# Altium PCB PCB2.PcbDoc (part 2 of 2) (continued)
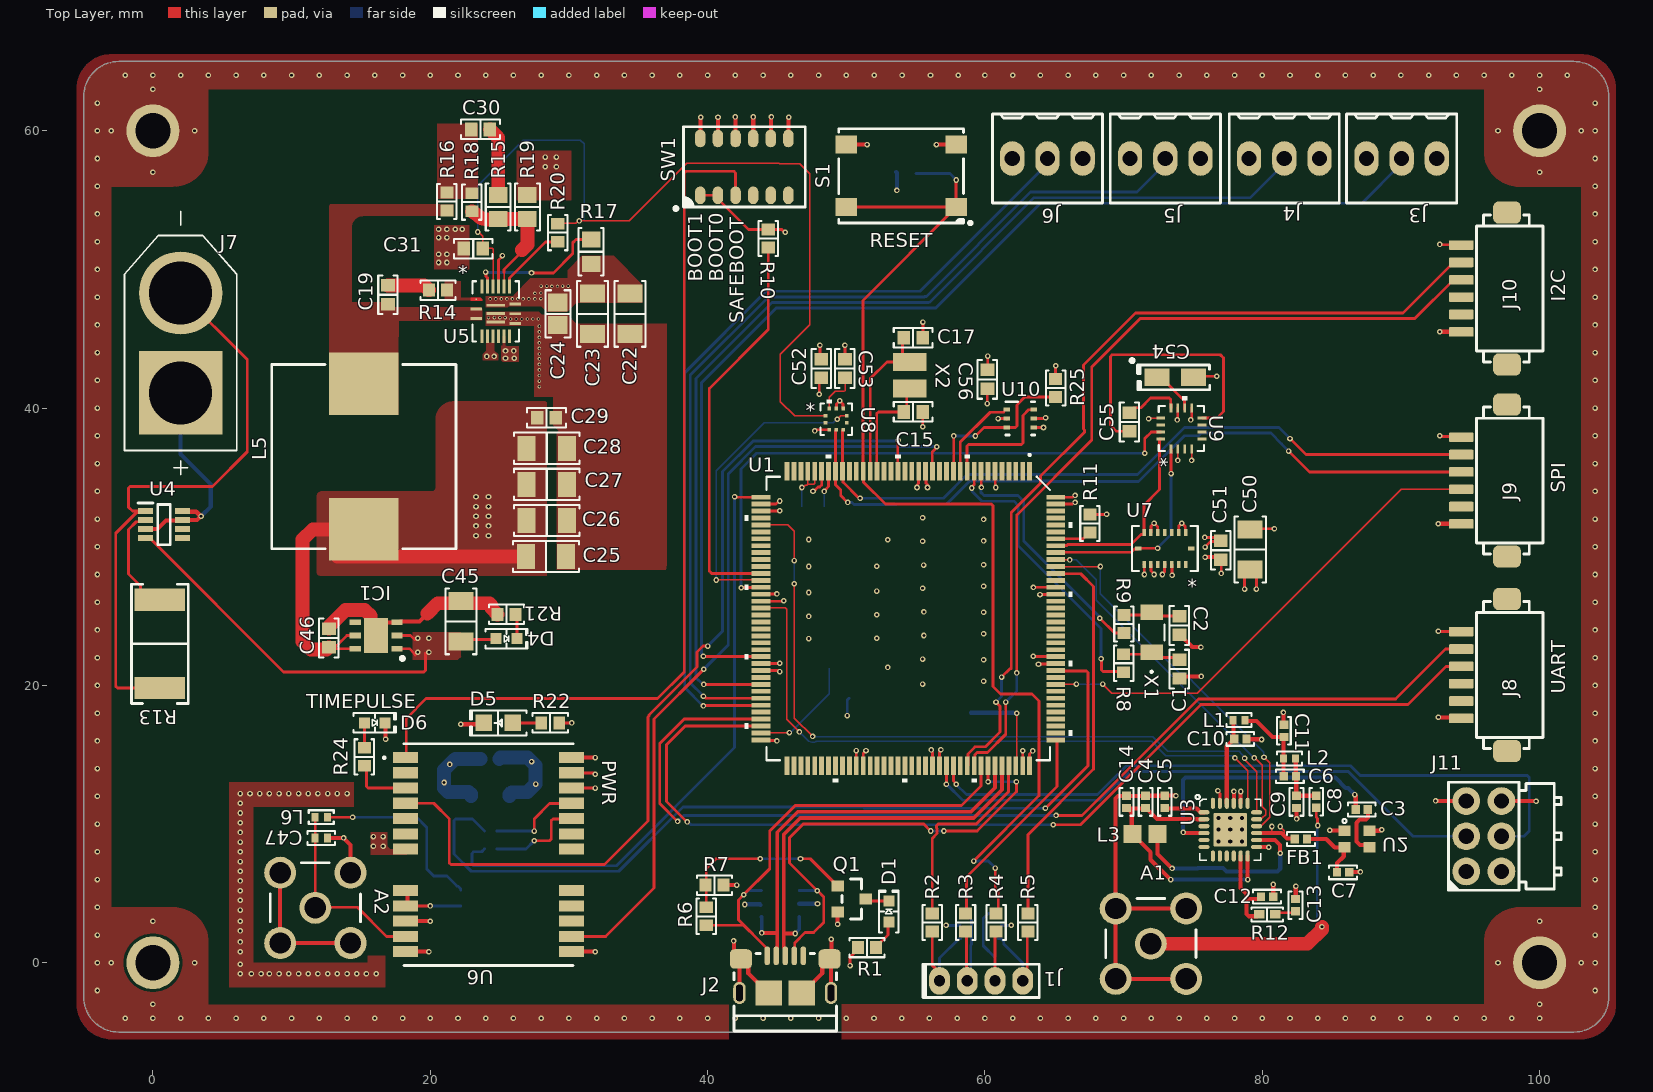
[diagram p0: Top Layer view]
## Nets (pads, with @x,y where several pads share a name; then routed paths per layer and width w, separated by ;. In a path a pad name is that pad's centre, name@x,y a point inside that pad or via, vN(x,y) a via of type N, cw(c..) or ccw(c..) an arc to the next point about the centre after c; other vN are vias at no path point) (continued)
NetC15_2: C15.2 U1.23 X2.1 | length 8.8
  Top Layer w0.203: U1.23@52.225,35.45 52.202,35.473 52.202,39.607 52.32,39.725 C15.2@54.15,39.725 ; X2.1@54.029,41.425 X2.1@54.575,41.425 54.357,41.207 C15.2@54.357,39.468
NetC17_2: C17.2 U1.24 X2.2 | length 12.4
  Top Layer w0.203: U1.24@51.725,35.45 51.725,42.113 52.942,43.33 X2.2@54.575,43.33 54.575,43.371 54.149,43.797 X2.2@54.05,43.896 ; X2.2@54.128,43.777 53.931,43.777 X2.2@54.05,43.896 ; C17.2@54.15,45.075 54.075,45.075 54.05,45.05 X2.2@54.05,43.896
NetC18_1: C18.1 U1.106 | length 7.1
  Top Layer w0.1: U1.106@62.225,14.2 62.3,14.275 v1(62.3,18)
  Bottom Layer w0.3: C18.1@59,18.025 62.025,18.025 62.031,18.019 62.281,18.019 v1(62.3,18)
NetC19_1: C19.1 R14.2 | length 3.1
  Top Layer w1: C19.1@16.95,48.85 19.57,48.85 R14.2@19.913,48.507
NetC20_1: C20.1 U1.71 | length 7.9
  Top Layer w0.1: U1.71@43.85,16.575 43.875,16.6 v1(45.9,16.6)
  Bottom Layer w0.1: v1(45.9,16.6) 45.975,16.6 48.775,19.4 C20.1@48.775,21.25
NetC30_1: C30.1 R16.1 R18.2
NetC53_2: C53.2 U8.10 | length 3.1
  Top Layer w0.1: U8.10@48.775,39.96 48.775,40.784 49.191,41.2 49.866,41.2 49.925,41.259 C53.2@49.925,42.15
NetC54_1: C54.1 U9.10 | length 3.3
  Top Layer w0.2: C54.1@72.405,42.225 72.69,42.225 74.4,40.515 U9.10@74.4,39.9
NetC55_1: C55.1 U9.8 | length 20.4
  Top Layer w0.203: C55.1@70.425,38.325 69.5,38.325 69.05,38.775 69.05,43.731 69.169,43.85 76.975,43.85 77.2,43.625 77.2,39.75 76.725,39.275 75.7,39.275 U9.8@75.675,39.3
NetC55_2: C55.2 U9.12 | length 4.1
  Top Layer w0.203: C55.2@70.425,39.675 70.774,40.023 71.248,40.023 71.95,40.725 73.287,40.725 73.406,40.606 73.406,40.291 73.411,40.287 U9.12@73.411,40.015
NetD1_1: D1.1 R1.1 | length 2.2
  Top Layer w0.203: R1.1@52.15,1.1 52.15,1.15 53,2 D1.1@53,2.9
NetD1_2: D1.2 Q1.3 | length 1.7
  Top Layer w0.203: Q1.3@51.4,4.6 51.55,4.45 D1.2@53.075,4.45
NetD4_2: D4.2 R21.2 | length 1.7
  Top Layer w0.203: R21.2@26.2,25.1 26.25,25.05 D4.2@26.25,23.375
NetD5_1: D5.1 R22.1 | length 2.1
  Top Layer w0.203: D5.1@25.95,17.3 R22.1@28,17.3
NetD6_1: D6.1 R24.1 | length 1.8
  Top Layer w0.203: R24.1@15.25,15.5 D6.1@15.25,17.3
NetL3_2: L3.2 U3.14 | length 14.5
  Top Layer w0.3: L3.2@72.443,9.275 72.443,7.85 73.493,6.8 v1(73.5,6.8) ; U3.14@79.593,8.85 80.918,8.85 81.281,8.487 81.281,7.919 v1(81.3,7.9)
  Bottom Layer w0.3: v1(73.5,6.8) 75.335,6.8 75.36,6.825 77.169,6.825 77.419,6.575 81.092,6.575 81.3,6.783 v1(81.3,7.9)
NetL4_2: L4.2 U1.32 U1.33 | length 4.1
  Top Layer w0.1: v1(46.8,34.275) 46.881,34.275 47.035,34.429 47.154,34.429 47.225,34.5 ; U1.33@47.225,35.45 47.225,34.5 ; U1.32@47.725,35.3 47.725,34.575 47.65,34.5 47.225,34.5
  Bottom Layer w0.1: v1(46.8,34.275) 46.8,32.88 L4.2@46.805,32.875
NetL6_1: L6.1 R23.2 | length 13.6
  Top Layer w0.203: L6.1@12.58,10.5 v1(14.4,10.5)
  Bottom Layer w0.203: v1(14.4,10.5) 19,10.5 19.75,9.75 19.75,6.75 20.25,6.25 21.2,6.25 21.926,5.523 22.002,5.523 22.2,5.325 R23.2@22.2,5.25
NetQ1_1: Q1.1 R6.2 R7.1 | length 13.3
  Top Layer w0.203: R7.1@39.8,5.5 39.9,5.4 R6.2@39.9,4 ; R7.1@39.9,5.6 39.9,6.8 40.6,7.5 v1(43.8,7.5) ; v1(46.7,7.5) 47.4,7.5 49.35,5.55 Q1.1@49.4,5.55
  Bottom Layer w0.203: v1(43.8,7.5) v1(46.7,7.5)
NetU8_2: U8.2
NetU8_4: U8.4
NetU8_5: U8.5
NetU8_6: U8.6
NRESET: U3.3
NRST: D2.4 J1.3 R4.2 | length 9.7
  Top Layer w0.203: J1.3@60.725,-1.3 60.725,2.075 R4.2@60.8,2.15
  Bottom Layer w0.203: J1.3@60.725,-1.3 60.725,0.38 59.875,1.23 59.875,3.179 60.243,3.547 60.485,3.547 60.662,3.725 60.875,3.725 D2.4@60.975,3.625
OUT: C3.2 U2.3 | length 4
  Top Layer w0.3: C3.2@87.65,11.025 87.625,11 87.625,10.475 87.475,10.325 87.025,10.325 86.8,10.1 86.8,8.75 87.057,8.493 87.557,8.493 U2.3@87.725,8.325
PA0: U1.34
PA1: U1.35
PA2: U1.36
PA4: U1.40
PA5: U1.41 U3.18 | length 54
  Top Layer w0.1: U1.41@43.95,31.6 45.775,31.6 46.25,31.125 v1(46.25,29) ; v1(46.25,27.325) 46.25,17.65 v1(47.575,16.325) ; v1(78.725,14.75) 78.725,14.669 78.824,14.57 78.824,14.554 79.593,13.785 U3.18@79.593,10.85
  Bottom Layer w0.1: v1(46.25,27.325) v1(46.25,29) ; v1(47.575,16.325) 47.596,16.304 72.112,16.304 73.173,15.243 78.327,15.243 78.519,15.051 78.519,15.038 78.725,14.831 v1(78.725,14.75)
PA6: U1.42
PA7: U1.43
PA8: J10.3 U1.100 | length 62.5
  Top Layer w0.203: U1.100@59.201,13.626 59.225,13.65 U1.100@59.225,14.2 59.268,14.243 59.268,14.992 59.433,15.156 60.182,15.156 61.5,16.475 v1(61.5,18.8) ; v1(62.3,20.9) 62.3,32.3 67.7,37.7 67.7,42.951 71.2,46.451 91.001,46.451 93.8,49.25 J10.3@94.35,49.25
  Bottom Layer w0.203: v1(61.5,18.8) 62.3,19.6 v1(62.3,20.9)
PA9: D3.6 J2.1 R6.1 U1.101 | length 33.3
  Top Layer w0.203: R6.1@39.9,2.7 42.6,2.7 43,2.3 ; J2.1@44.325,0.675 44.325,1 42.219,3.106 42.219,4.519 v1(42.6,4.9) 44.479,6.779 44.479,9.49 46.321,11.332 58.309,11.332 59.725,12.748 59.725,14.076 U1.101@59.748,14.1
  Bottom Layer w0.203: v1(42.6,4.9) 42.653,4.9 42.953,5.2 D3.6@43.888,5.2
PA10: D3.1 J2.4 U1.102 | length 34
  Top Layer w0.203: J2.4@46.2,0.475 46.288,0.563 46.288,1.438 47.025,2.175 47.65,2.175 48.381,2.905 48.381,4.745 47.925,5.2 v1(47.9,5.2) 45.913,7.187 45.913,9.016 46.9,10.004 55.585,10.004 v1(56.086,9.503) ; v1(57.042,9.503) 59.44,9.503 62.275,12.337 v1(62.275,13.05) ; v1(60.225,13.05) U1.102@60.225,14.025
  Bottom Layer w0.203: D3.1@46.612,5.2 v1(47.9,5.2) ; v1(56.086,9.503) v1(57.042,9.503) ; v1(60.225,13.05) v1(62.275,13.05)
PB0: U1.46
PB1: U1.47
PB4: U1.134 U3.16 | length 27.8
  Top Layer w0.1: U1.134@65.1,28.575 v1(68.325,28.575) ; U3.16@79.593,9.85 79.897,9.85 79.997,9.95 80.009,9.95 80.543,10.484 80.543,14.406 v1@80.125,14.824
  Bottom Layer w0.1: v1(68.325,28.575) 68.325,26.625 74.023,20.927 74.369,20.927 74.946,20.35 74.946,20.308 77.512,17.741 77.555,17.741 80.121,15.175 80.121,14.829 v1(80.125,14.825)
PB5: U1.135 U3.17 | length 26.4
  Top Layer w0.1: U1.135@65.1,29.075 65.125,29.05 v1(66.125,29.05) ; v1(79.427,14.769) 79.474,14.769 80.009,14.235 80.009,11.25 80.243,11.016 80.243,10.684 80.009,10.45 79.997,10.45 79.897,10.35 U3.17@79.593,10.35
  Bottom Layer w0.1: v1(66.125,29.05) 66.6,29.05 68.025,27.625 68.025,26.129 79.384,14.769 v1(79.427,14.769)
PB6: U1.136 U4.5 U7.8 U9.1 | length 14.9
  Top Layer w0.203: U1.136@65.1,29.575 65.123,29.598 70.534,29.598 70.785,29.849 U7.8@71.038,29.849 ; U7.8@71.064,29.875 71.076,29.887 72.437,29.887 v1(72.45,29.9) ; U9.1@73.411,36.975 73.411,36.102 73.425,36.088 v1(73.425,35.275)
  Bottom Layer w0.203: v1(72.45,29.9) 73.425,30.875 v1(73.425,35.275)
PB7: U1.137 U4.6 U7.9 U9.16 | length 14.1
  Top Layer w0.2: U1.137@65.1,30.075 65.125,30.1 65.899,30.1 65.959,30.159 70.525,30.159
  Top Layer w0.203: 70.525,30.159 71.257,30.891 U7.9@71.449,30.891 ; U7.9@71.475,30.95 U7.9@71.475,31.031 71.475,32.997 72.6,34.122 72.6,37.775 U9.16@72.675,37.775
PB8: U1.139
PB9: U1.140
PB10: J8.2 U1.69 | length 75.3
  Top Layer w0.203: v1(37.835,10.19) 36.548,11.477 36.548,15.802 38.321,17.575 43.277,17.575 U1.69@43.3,17.551 ; v1(65.135,10.627) 67.008,10.627 75.403,19.023 89.622,19.023 93.224,22.625 J8.2@94.35,22.625
  Bottom Layer w0.203: v1(37.835,10.19) 38.26,10.616 39.246,10.616 39.258,10.627 v1(65.135,10.627)
PB11: J8.3 U1.70 | length 73.7
  Top Layer w0.203: v1(38.534,10.161) 38.514,10.161 37.033,11.642 37.033,15.717 38.39,17.075 43.276,17.075 U1.70@43.3,17.051 ; v1(64.93,9.958) 66.908,9.958 75.57,18.62 90.505,18.62 93.26,21.375 J8.3@94.35,21.375
  Bottom Layer w0.203: v1(38.534,10.161) 38.587,10.161 38.79,9.958 v1(64.93,9.958)
PB13: U1.74
PB14: U1.75
PB15: U1.76
PC0: U1.26
PC1: U1.27
PC2: J9.2 U1.28 | length 51.8
  Top Layer w0.203: 49.775,38.44 49.749,38.414 49.749,38.402 49.725,38.377 U1.28@49.725,35.45 49.768,35.406 49.768,34.658 50.927,33.5 v4(51,33.5) ; v1(82,37.8) 83.15,36.65 J9.2@94.35,36.65
  Bottom Layer w0.203: v4(51,33.5) 57,33.5 58.7,35.2 71,35.2 74.4,38.6 81.2,38.6 v1(82,37.8)
  other v5: 51,33.5
PC3: J9.3 U1.29 | length 54.5
  Top Layer w0.2: U1.29@49.225,35.6 49.225,36.469
  Top Layer w0.203: U1.29@49.2,35.6 49.23,35.57 49.23,34.47 49.6,34.1 49.6,33.7 v5(50.1,33.2) ; U1.29@49.23,35.6 49.23,38.382 49.275,38.427 49.275,38.44 ; v4(81.9,36.9) 83.4,35.4 J9.3@94.35,35.4 94.4,35.4 J9.3@94.6,35.2
  Bottom Layer w0.203: v5(50.1,33.2) 50.4,33.2 50.556,33.044 53.579,33.044 53.632,33.097 57.263,33.097 58.905,34.739 64.785,34.739 64.824,34.7 71.07,34.7 74.37,38 75.403,38 75.6,38.197 80.618,38.197 81.4,37.415 81.4,37.4 v4(81.9,36.9)
  other v4: 50.1,33.2
  other v5: 81.9,36.9
PC4: U1.44
PC5: U1.45
PC8: U1.98
PC9: J10.2 U1.99 | length 63.5
  Top Layer w0.203: U1.99@58.725,14.2 58.768,14.243 58.768,15.062 59.279,15.572 60.028,15.572 61.097,16.642 61.097,18.503 v4(60.8,18.8) ; v5(61.2,20.6) 61.8,21.2 61.897,21.2 61.897,32.467 64.005,34.575 64.005,35.095 67.171,38.26 67.171,38.429 67.1,38.5 67.1,43.1 70.854,46.854 90.154,46.854 93.8,50.5 J10.2@94.35,50.5
  Bottom Layer w0.203: v4(60.8,18.8) 61.2,19.2 v5(61.2,20.6)
  other v4: 61.2,20.6
  other v5: 60.8,18.8
PC10: U1.111
PC11: U1.112
PC12: U1.113
PC13: U1.7
PC14: R9.2 U1.8 | length 17.5
  Top Layer w0.203: U1.8@59.725,35.154 59.736,35.143 59.736,34.295 v1(59.748,34.283) ; v1@68.281,24.837 68.302,24.837 69.364,23.775 R9.2@70.025,23.775
  Bottom Layer w0.203: v1(59.748,34.283) 59.71,34.246 59.71,34.106 59.701,34.097 59.701,33.929 59.938,33.691 62.384,33.691 62.8,33.275 62.8,30.425 68.2,25.025 68.2,24.984 68.281,24.903 v1(68.281,24.85)
PC15: R8.2 U1.9 | length 21.1
  Top Layer w0.203: v1(59.049,34.239) 59.049,34.292 59.225,34.468 U1.9@59.225,35.25 ; v1@68.4,21.925 68.4,21.119 68.519,21 69.95,21 R8.2@70,20.95
  Bottom Layer w0.203: v1(59.049,34.239) 59.087,34.201 59.087,33.973 59.772,33.288 62.09,33.288 62.397,32.981 62.397,30.089 68.375,24.111 v1(68.375,21.925)
PD2: U1.116
PD3: J9.4 U1.117 | length 35.4
  Top Layer w0.1: U1.117@65.3,20.1 v1(66.6,20.1) ; v1(68.5,20.1) 69.157,19.443 75.327,19.443 90.033,34.15 J9.4@94.35,34.15
  Bottom Layer w0.1: v1(66.6,20.1) v1(68.5,20.1)
PD4: U1.118
PD6: U1.122
PD7: U1.123
PD10: U1.79
PD11: U1.80
PD12: U1.81
PD13: U1.82
PD14: U1.85
PD15: U1.86
PE0: U1.141
PE1: U1.142
PE2: U1.1
PE3: U1.2
PE4: U1.3
PE5: U1.4
PE6: U1.5
PE7: U1.58
PE8: U1.59
PE10: U1.63
PE12: U1.65
PE15: U1.68
PF0: U1.10 U10.6 | length 8.2
  Top Layer w0.2: U1.10@58.7,36.1 58.7,37.262 58.817,37.379 62.63,37.379 62.747,37.496 62.747,39.476 63.149,39.877 63.502,39.877 U10.6@63.525,39.9
PF1: U1.11 U10.1 | length 6
  Top Layer w0.203: U1.11@58.225,35.9 58.225,37.542 60.385,39.701 61.333,39.701 61.452,39.82 61.452,39.852 61.5,39.9 U10.1@61.575,39.9
PF2: R25.1 U1.12 U10.3 | length 11.3
  Top Layer w0.2: U1.12@57.7,36.075 57.75,36.125 v1(57.75,37.996) ; v1(59.314,37.986) 59.927,38.6 U10.3@61.575,38.6 ; U10.3@61.624,38.601 62.187,38.601 62.304,38.718 62.304,40.229 62.875,40.8 R25.1@65.1,40.8
  Bottom Layer w0.2: v1@57.746,38.046 57.801,37.991 59.309,37.991 v1(59.314,37.986)
PF3: U1.13
PF4: U1.14
PF6: U1.18
PF7: U1.19
PF9: U1.21 U7.16
PF10: U1.22 U7.12
PF11: U1.49 U8.7 | length 22.2
  Top Layer w0.1: v1(40.63,27.604) 43.821,27.604 U1.49@43.875,27.55 ; v1@49.325,39.175 49.6,39.45 U8.7@50.035,39.45
  Bottom Layer w0.1: v1(40.63,27.604) 40.63,35.467 44.09,38.927 49.077,38.927 v1(49.35,39.2)
PF12: U1.50 U9.15 | length 42
  Top Layer w0.203: v1(42.425,27.05) 42.437,27.062 43.838,27.062 U1.50@43.85,27.075 ; v1(71.525,36.75) 71.525,37.8 72,38.275 U9.15@72.675,38.275
  Bottom Layer w0.203: v1(42.425,27.05) 42.4,27.075 42.4,35.6 43.55,36.75 v1(71.525,36.75)
PF13: U1.53 U3.19 | length 46.9
  Top Layer w0.1: U1.53@43.9,25.6 45.6,25.6 45.7,25.5 45.7,17.575 v1(46.625,16.65) ; v1(78.025,14.775) 78.943,13.857 U3.19@78.943,11.5
  Bottom Layer w0.1: v1(46.625,16.65) 47.304,15.971 47.31,15.965 47.317,15.958 ccw(c47.57,16.507) 47.808,15.951 47.823,15.958 47.843,15.958 cw(c47.845,15.858) 47.845,15.958 72.033,15.958 73.048,14.943 77.857,14.943 77.886,14.914 v1(78.025,14.775)
PF14: U1.54
PF15: U1.55
PG: R20.2 U5.13 | length 5.2
  Top Layer w0.203: U5.13@25.725,48.775 25.725,49.169 25.725,49.381 28.319,51.975 R20.2@29.225,51.975
PG0: U1.56
PG1: U1.57
PG2: U1.87
PG3: U1.88
PG4: U1.89
PG5: U1.90
PG6: U1.91
PG7: U1.92
PG8: U1.93
PG9: U1.124
PG10: U1.125
PG11: U1.126
PG12: U1.127
PG13: U1.128
PG14: U1.129
PG15: U1.132
REG_VIN: C22.2 C23.2 C24.2 R13.2 R17.2 U4.2 U5.12 U5.19 | length 7.9
  Top Layer w0.203: U4.2@-0.538,31.925 -0.661,31.802 -1.2,31.802 -1.763,31.239 -1.763,28.033 -0.89,27.161 -0.89,26.873 -0.192,26.175 R13.2@0.5,26.175
  other v2: 24.325,47.875 24.725,47.875 25.125,47.875 25.525,47.875 25.925,47.875 26.325,47.875 26.7,47.875 27.1,47.875 27.55,47.875 27.975,47.9 27.55,48.275 27.975,48.3 28.775,48.775 29.175,48.775 28,48.8 28.4,48.8 29.55,48.8 29.95,48.8
RESET_N: R23.1 U6.8 U6.9 | length 5.2
  Top Layer w0.203: U6.9@18.2,4.1 v1(20,4.1)
  Top Layer w0.3: U6.9@18.2,4.1 18.35,4.25 18.35,5.05 U6.8@18.2,5.2
  Bottom Layer w0.203: v1(20,4.1) R23.1@22.2,4.1
RF_IN: A2.S C47.1 L6.2 U6.11 | length 13.9
  Top Layer w0.203: L6.2@11.7,10.5 C47.1@11.7,9 11.705,8.995 11.705,3.965 A2.S@11.71,3.96 11.75,4 14.75,4 16.85,1.9 U6.11@18.2,1.9
RUDDER: J6.2 U1.67 | length 60.8
  Top Layer w0.203: v1(39.7,18.525) 39.726,18.551 43.15,18.551
  Bottom Layer w0.203: v1(39.7,18.525) 39.675,18.525 38.35,19.85 38.35,42.55 44.225,48.425 55.31,48.425 64.51,57.625 J6.2@64.51,58
SAFEBOOT_N: SW1.3 U6.1 | length 65.6
  Top Layer w0.203: U6.1@18.275,14.875 18.275,17.625 19.7,19.05 36.397,19.05 38.313,20.965 38.313,56.956 38.432,57.075 41.896,57.075 42.015,56.956 SW1.3@42.015,55.343
SW: C19.2 L5.1 R16.2 U5.2 U5.3
SWCLK: D2.3 J1.2 R3.2 | length 9.1
  Top Layer w0.203: R3.2@58.6,2.25 58.675,2.175 58.675,-1.25 J1.2@58.725,-1.3
  Bottom Layer w0.203: D2.3@58.25,3.625 58.457,3.625 58.827,3.255 58.861,3.255 59.038,3.079 59.038,1.321 58.973,1.256 58.973,-1.052 J1.2@58.725,-1.3
SWDIO: D2.1 J1.1 R2.2 | length 7.5
  Top Layer w0.203: R2.2@56.202,2.2 56.202,-0.176 56.725,-0.699 J1.1@56.725,-1.3
  Bottom Layer w0.203: J1.1@56.725,-1.3 56.725,0.335 58.115,1.725 D2.1@58.25,1.725
SWO: D2.6 J1.4 R5.2 | length 7.6
  Top Layer w0.203: J1.4@62.725,-1.3 62.725,-0.699 63.05,-0.374 63.05,2.2 R5.2@63.1,2.25
  Bottom Layer w0.203: D2.6@60.975,1.725 61.182,1.725 61.36,1.547 61.36,1.34 62.725,-0.025 J1.4@62.725,-1.3
TIMEPULSE: R24.2 U6.3 | length 4.4
  Top Layer w0.203: R24.2@15.25,14.2 15.401,14.049 15.401,12.719 15.52,12.6 U6.3@18.2,12.6
UART_RX: FB3.2 U6.21 | length 6.8
  Top Layer w0.203: v1(27.5,9.5) 27.5,10.375 28.6,11.475 30.175,11.475 U6.21@30.2,11.5
  Bottom Layer w0.203: FB3.2@24.79,9.5 v1(27.5,9.5)
UART_TX: FB2.2 U6.20 | length 7.1
  Top Layer w0.203: v1(27.5,8.8) 28.609,8.8 28.728,8.919 28.728,10.256 28.847,10.375 30.175,10.375 U6.20@30.2,10.4
  Bottom Layer w0.203: FB2.2@24.79,8.225 24.815,8.2 26.9,8.2 v1(27.5,8.8)
USART2_RX: FB2.1 U1.37 | length 44.4
  Top Layer w0.203: v1(41.944,33.6) 41.97,33.575 U1.37@43.925,33.575
  Bottom Layer w0.203: FB2.1@23.91,8.225 23.91,8.205 23.712,8.006 23.691,8.006 23.685,8 23.119,8 23,7.881 23,7.119 23.119,7 33.43,7 41.944,15.514 v1(41.944,33.6)
USART2_TX: FB3.1 U1.119 | length 63.6
  Top Layer w0.203: v1(64.36,11.14) 67.422,14.203 67.422,20.933 67.303,21.051 65.123,21.051 U1.119@65.1,21.075
  Bottom Layer w0.203: FB3.1@23.91,9.5 23.037,10.373 21.828,10.373 21.709,10.255 21.709,7.84 22.952,6.597 33.597,6.597 38.222,11.222 51.223,11.222 51.305,11.14 v1(64.36,11.14)
VCC: C31.2 R20.1 U5.16 U8.1 | length 64.5
  Top Layer w0.1: v1(23.425,52.7) 23.45,52.7 23.775,52.375 C31.2@23.775,51.5 23.791,51.516 24.467,51.516 24.526,51.457 U5.16@24.526,48.776 ; R20.1@29.375,53.125 29.375,53.325 30.494,53.325 30.669,53.5 v1(30.75,53.5) 34.359,53.5 38.509,57.65 45.15,57.65 45.175,57.625 46.65,57.625 47.375,56.9 47.375,46 45.25,43.875 45.25,40.475 46.275,39.45 U8.1@48.515,39.45 48.55,39.45 U8.1@48.575,39.425
  Bottom Layer w0.1: v1(23.425,52.7) 23.425,56.05 26.7,59.325 30.825,59.325 31.1,59.05 31.1,53.584 31.041,53.525 30.775,53.525 v1(30.75,53.5)
VCC_TXCO: C7.2 FB1.2 U2.4 | length 4.9
  Top Layer w0.3: FB1.2@83.233,8.925 84.613,8.925 85.226,8.312 85.72,8.312 85.814,8.219 U2.4@85.769,8.219 ; C7.2@85.385,6.525 85.385,7.185 85.876,7.676 85.876,8.276 U2.4@85.925,8.325
VIN+: J7.N R13.1 U4.1 | length 42.8
  Top Layer w0.203: U4.1@-0.55,32.575 -1.475,32.575 -1.75,32.85 -1.75,34.231 -1.631,34.35 4.3,34.35 6.8,36.85 6.8,43.5 J7.N@2,48.3 ; U4.1@-0.538,32.575 -0.661,32.452 -1.2,32.452 -2.678,30.974 -2.678,19.944 -2.559,19.825 R13.1@0.5,19.825
XTA: C3.1 U3.4 | length 19.4
  Top Layer w0.3: v1(74.3,9.4) 74.327,9.4 74.377,9.35 U3.4@75.793,9.35 ; v1(86.672,12.125) 86.672,12.098 86.738,12.033 86.738,11.053 C3.1@86.735,11.05
  Bottom Layer w0.3: v1(74.3,9.4) 74.293,9.407 74.293,13.173 74.469,13.349 85.269,13.349 86.017,12.601 86.196,12.601 v1(86.672,12.125)
pads on no net: IC1.4 J8.4 J8.5 J8.M J9.5 J9.M J10.4 J10.5 J10.M SW1.4 SW1.5 SW1.6 U1.73 U1.77 U1.78 U1.110 U3.5 U3.6 U3.24 U5.4 U5.7 U5.9 U5.18 U6.5 U6.6 U6.15 U6.16 U6.17 U6.18 U6.19 U7.1 U7.2 U7.5 U7.13 U9.3 U9.5 U9.6 U9.7 U9.14

## Polygon pours and split planes (outlines as drawn)
GND on Top Layer "GND_L01_P291" (solid, remove dead copper, pour order 291): 103,55.975 98.54,55.975 cw(c98.54,58.515) 96,58.515 96,62.975 ccw(c95.975,62.975) 95.975,63 4,63 4,58.515 cw(c1.46,58.515) 1.46,55.975 -3,55.975 -3,4 1.46,4 cw(c1.46,1.46) 4,1.46 4,-3 ccw(c4.025,-3) 4.025,-3.025 41.525,-3.025 41.525,-5.5 -2.96,-5.5 cw(c-2.96,-2.96) -5.5,-2.96 -5.5,62.985 cw(c-2.96,62.985) -2.605,65.5 102.605,65.5 cw(c102.96,62.985) 105.5,62.985 105.5,-2.96 cw(c102.96,-2.96) 102.96,-5.5 49.675,-5.5 49.675,-3 96,-3 96,1.46 cw(c98.54,1.46) 98.54,4 103,4
REG_VIN on Top Layer "REG_VIN_L01_P247" (solid, remove dead copper, pour order 247): 24,47.275 25.6,47.275 25.675,47.35 28,47.35 28.4,46.95 29.875,46.95 30.525,47.6 35.3,47.6 35.3,48.9 33.225,50.975 30.925,50.975 29.9,49.95 29.9,49.35 27.225,49.35 26.025,48.15 25.925,48.05 24,48.05
GND on Top Layer "GND_L01_P274" (solid, remove dead copper, pour order 274): 24,46.95 27.825,46.95 28.05,46.725 28.05,45.95 24,45.95
GND on Top Layer "GND_L01_P286" (solid, remove dead copper, pour order 286): 22.8,53.2 20.3,53.2 20.3,50 22.8,50 22.8,51.8
BST on Top Layer "BST_L01_P000" (solid, remove dead copper, pour order 0): 23.745,47.756 23.745,47.86 23.645,47.96 22.196,47.96 22.195,47.96 22.195,49.138 22.199,49.142 21.031,49.142 21.031,47.77
GND on Top Layer "GND_L01_P285" (solid, remove dead copper, pour order 285): 25.475,45.175 25.475,44.475 26.375,44.475 26.375,43.35 25.125,43.35 25.125,45.175 25.4,45.175
+5V on Top Layer "+5V_L01_P284" (solid, remove dead copper, pour order 284): 24.625,44.725 24.625,44.15 24.9,43.875 24.9,43.45 23.775,43.45 23.775,43.875 24.025,44.125 24.025,44.725
GND on Top Layer "GND_L01_P278" (solid, remove dead copper, pour order 278): 26.25,55 26.25,58.575 30.15,58.575 30.15,55
GND on Top Layer "GND_L01_P060" (solid, remove dead copper, pour order 60): 37.05,28.8 37.05,46.1 30.525,46.1 29.9,46.725 28.05,46.725 27.5,46.175 27.5,43.9 27.5,43.8 27.5,43.6 27.5,42.2 27.5,40.825 28.775,40.825 28.875,40.825 28.875,40.675 28.875,38.75 29.25,38.375 29.125,38.25 29.125,28.35 36.975,28.35 37.025,28.4
GND on Top Layer "GND_L01_P099" (solid, pour order 99): 14.5,11.25 14.5,13 5.5,13 5.5,-1.75 16.75,-1.75 16.75,0.5 15.5,0.5 15.5,0 7.25,0 7.25,11.25
NetC30_1 on Top Layer "NETC30_1_L01_P037" (solid, remove dead copper, pour order 37): 23.426,55.073 23.426,60.474 23.4,60.5 20.5,60.5 20.5,55.1
+5V on Top Layer "+5V_L01_P039" (solid, remove dead copper, pour order 39): 28.4,40.4 ccw(c28.3,40.4) 28.3,40.5 21.697,40.5 ccw(c21.7,39.2) 20.4,39.2 20.4,34.3 cw(c20.1,34.3) 20.1,34 12.2,34 ccw(c12.2,33.6) 11.8,33.6 11.8,28.2 ccw(c12.1,28.2) 12.1,27.9 28.4,27.9 28.4,40.3
SW on Top Layer "SW_L01_P045" (solid, remove dead copper, pour order 45): 23.744,46.352 23.744,47.261 17.189,47.261 16.825,47.625 14.35,47.625 14.35,53.057 cw(c15.076,53.074) 14.55,53.575 cw(c15.136,53.014) 15.118,53.825 21.65,53.825 21.65,54.675 20.725,54.675 20.7,54.7 12.802,54.7 ccw(c12.802,54.275) 12.725,54.693 12.725,44.525 12.725,44 12.7,39.525 17.7,39.525 17.7,43.975 17.725,46.275
+3V3 on Top Layer "+3V3_L01_P090" (solid, remove dead copper, pour order 90): 22.212,23.175 22.2,23.187 22.2,23.825 18.725,23.825 18.725,21.85 22,21.85 22.225,22.075 22.212,22.087
GND on Top Layer "GND_L01_P091" (solid, remove dead copper, pour order 91): 15.7,9.4 16.9,9.4 16.9,8.4 17.125,8.175 18.35,8.175 18.35,7.85 18.3,7.8 15.7,7.8
+3V3 on Int2 (PWR) "+3V3_L03_P062" (solid, remove dead copper, pour order 62): -1,-1 15.329,22.675 30.87,22.576 35.7,26.058 35.7,61 101,61 101,-1
+3V3 on Int2 (PWR) "+3V3_L03_P055" (solid, remove dead copper, pour order 55): 15.212,20.15 15.212,22.65 cw(c15.273,22.59) 15.273,22.675 17.062,22.675 17.062,20.15
+5V on Int2 (PWR) "+5V_L03_P024" (solid, remove dead copper, pour order 24): 19.457,33.086 19.457,28.971 22.048,28.971 22.048,40.249 21.946,40.35 21.946,42.636 19.482,42.636 19.482,41.849
GND on Bottom Layer "GND_L04_P292" (solid, remove dead copper, pour order 292): 103,55.975 98.54,55.975 cw(c98.54,58.515) 96,58.515 96,62.975 ccw(c95.975,62.975) 95.975,63 4,63 4,58.515 cw(c1.46,58.515) 1.46,55.975 -3,55.975 -3,4 1.46,4 cw(c1.46,1.46) 4,1.46 4,-3 ccw(c4.025,-3) 4.025,-3.025 41.525,-3.025 41.525,-5.5 -2.96,-5.5 cw(c-2.96,-2.96) -5.5,-2.96 -5.5,62.985 cw(c-2.96,62.985) -2.605,65.5 102.605,65.5 cw(c102.96,62.985) 105.5,62.985 105.5,-2.96 cw(c102.96,-2.96) 102.96,-5.5 49.675,-5.5 49.675,-3 96,-3 96,1.46 cw(c98.54,1.46) 98.54,4 103,4
+5V on Bottom Layer "+5V_L04_P290" (solid, remove dead copper, pour order 290): 89.1,60.7 89.1,34 101,14.1 101,4.6 91.9,4.6 89.1,7.4 89.1,20 66.3,46.2 40.8,46.2 25.2,30.6 25.2,28.3 22.9,28.3 22.3,28.9 22.3,40 43,60.7
GND on Bottom Layer "GND_L04_P280" (solid, remove dead copper, pour order 280): 26.5,45.1 23.5,45.1 23.5,50.45 29.9,50.45 29.9,58.6 27.7,58.6 27.6,58.7 27.6,52.3 20.1,52.3 20.1,43.275 26.5,43.275
+3V3 on Bottom Layer "+3V3_L04_P272" (solid, remove dead copper, pour order 272): 49.425,31.4 47.2,31.4 46.8,31 46.8,23 47,22.8 50,22.8 50,28.925 49.425,29.5 49.425,29.6
+3V3 on Bottom Layer "+3V3_L04_P271" (solid, remove dead copper, pour order 271): 57.775,32.55 59.825,32.55 60.5,31.875 60.5,19.9 60.2,19.6 57.85,19.6 57.775,19.675
GND on Bottom Layer "GND_L04_P253" (solid, remove dead copper, pour order 253): 14.5,11.25 14.5,13 5.5,13 5.5,-1.75 16.75,-1.75 16.75,0.5 15.5,0.5 15.5,0 7.25,0 7.25,11.25
GND on Bottom Layer "GND_L04_P057" (solid, remove dead copper, pour order 57): 57.3,32.55 57.325,32.525 57.325,19.5 56.75,18.925 56.75,17.125 53.968,17.125 51.025,18.655 51.025,20.35 51.025,22.225 50.45,22.8 50.45,29 51.075,29.625 51.075,31.4 51.625,31.4 52.775,32.55 57.35,32.55
GND on Int1 (GND) "GND_L02_P085" (solid, remove dead copper, pour order 85): -5.5,62.533 cw(c-2.98,62.946) -2.98,65.5 102.98,65.52 cw(c102.98,63) 105.5,63 105.5,-2.95 cw(c102.95,-2.95) 102.95,-5.5 -2.926,-5.5 cw(c-2.926,-2.891) -5.5,-2.47
GND on Int1 (GND) "GND_L02_P041" (solid, remove dead copper, pour order 41): 22.15,42.725 23.95,42.725 ccw(c23.95,43.225) 24.45,43.225 24.45,45.025 cw(c24.75,45.025) 24.75,45.325 33.05,45.325 cw(c33.05,45.225) 33.15,45.225 33.15,26.925 cw(c32.75,26.925) 32.75,26.525 26.05,26.525 cw(c26.05,26.725) 25.85,26.725 25.85,36.725 ccw(c25.75,36.725) 25.75,36.825 cw(c25.75,37.225) 25.35,37.225 25.35,39.525 ccw(c25.05,39.525) 25.05,39.825 22.45,39.825 cw(c22.45,40.025) 22.25,40.025
GND on Top Solder "NONET_L-01_P-001" (solid): 4,63 96,63 96,58.54 ccw(c98.54,58.54) 98.54,56 103,56 103,4 98.54,4 ccw(c98.54,1.46) 96,1.46 96,-3 49.675,-3 49.675,-5 102.46,-5 ccw(c102.46,-2.46) 105,-2.46 105,62.46 ccw(c102.46,62.46) 102.46,65 -2.46,65 ccw(c-2.46,62.46) -5,62.46 -5,-2.46 ccw(c-2.46,-2.46) -2.46,-5 41.525,-5 41.525,-3.025 ccw(c41.5,-3.025) 41.5,-3 4,-3 4,1.46 ccw(c1.46,1.46) 1.46,4 -3,4 -3,56 1.46,56 ccw(c1.46,58.54) 4,58.54
no net on Top Solder "NONET_L01_P249" (solid, pour order 249): 14.5,11.25 14.5,13 5.5,13 5.5,-1.75 16.75,-1.75 16.75,0.5 15.5,0.5 15.5,0 7.25,0 7.25,11.25
GND on Bottom Solder "NONET_L-01_P-001" (solid): 4,63 96,63 96,58.54 ccw(c98.54,58.54) 98.54,56 103,56 103,4 98.54,4 ccw(c98.54,1.46) 96,1.46 96,-3 49.675,-3 49.675,-5 102.46,-5 ccw(c102.46,-2.46) 105,-2.46 105,62.46 ccw(c102.46,62.46) 102.46,65 -2.46,65 ccw(c-2.46,62.46) -5,62.46 -5,-2.46 ccw(c-2.46,-2.46) -2.46,-5 41.525,-5 41.525,-3.025 ccw(c41.5,-3.025) 41.5,-3 4,-3 4,1.46 ccw(c1.46,1.46) 1.46,4 -3,4 -3,56 1.46,56 ccw(c1.46,58.54) 4,58.54
GND on Bottom Solder "NONET_L01_P-001" (solid): 14.5,11.25 14.5,13 5.5,13 5.5,-1.75 16.75,-1.75 16.75,0.5 15.5,0.5 15.5,0 7.25,0 7.25,11.25

## Silkscreen, mask and mechanical layers (free items; w line width, h text height)
Top Overlay:
  text "RESET" at 51.705,51.602 h1.02
  text "BOOT1" at 39.623,49.127 h1.02 r90
  text "BOOT0" at 41.123,49.127 h1.02 r90
  text "I2C" at 101.848,47.652 h1.02 r90
  text "SAFEBOOT" at 42.623,46.127 h1.02 r90
  text "SPI" at 101.848,33.902 h1.02 r90
  text "UART" at 101.848,19.402 h1.02 r90
  text "TIMEPULSE" at 11.052,18.352 h1.02
  text "PWR" at 32.402,14.598 h1.02 r270

## Text inside footprints (layer, text, board x,y; h text height)
D2: Bottom Overlay "*" at 57.413,1.475 h1.02 r180; Bottom ASM "*" at 58.8,2.497 h1.27 r180
D3: Bottom Overlay "*" at 47.55,5.55 h1.02; Bottom ASM "*" at 46.063,4.428 h1.27
U5: Top Overlay "*" at 22.036,49.267 h1.02; Top ASM "*" at 22.274,47.229 h1.27
U7: Top Overlay "*" at 75.325,28.075 h1.02 r180; Top ASM "*" at 74.512,30.485 h1.27 r180
U8: Top Overlay "*" at 47.075,39.34 h1.02; Top ASM "*" at 48.337,39.065 h1.27
U9: Top Overlay "*" at 73.6,35.725 h1.02 r90; Top ASM "*" at 73.796,37.039 h1.27 r90